# Altium PCB Radxa_E25_V1.4_20220119.PcbDoc (part 1 of 5) (continued)
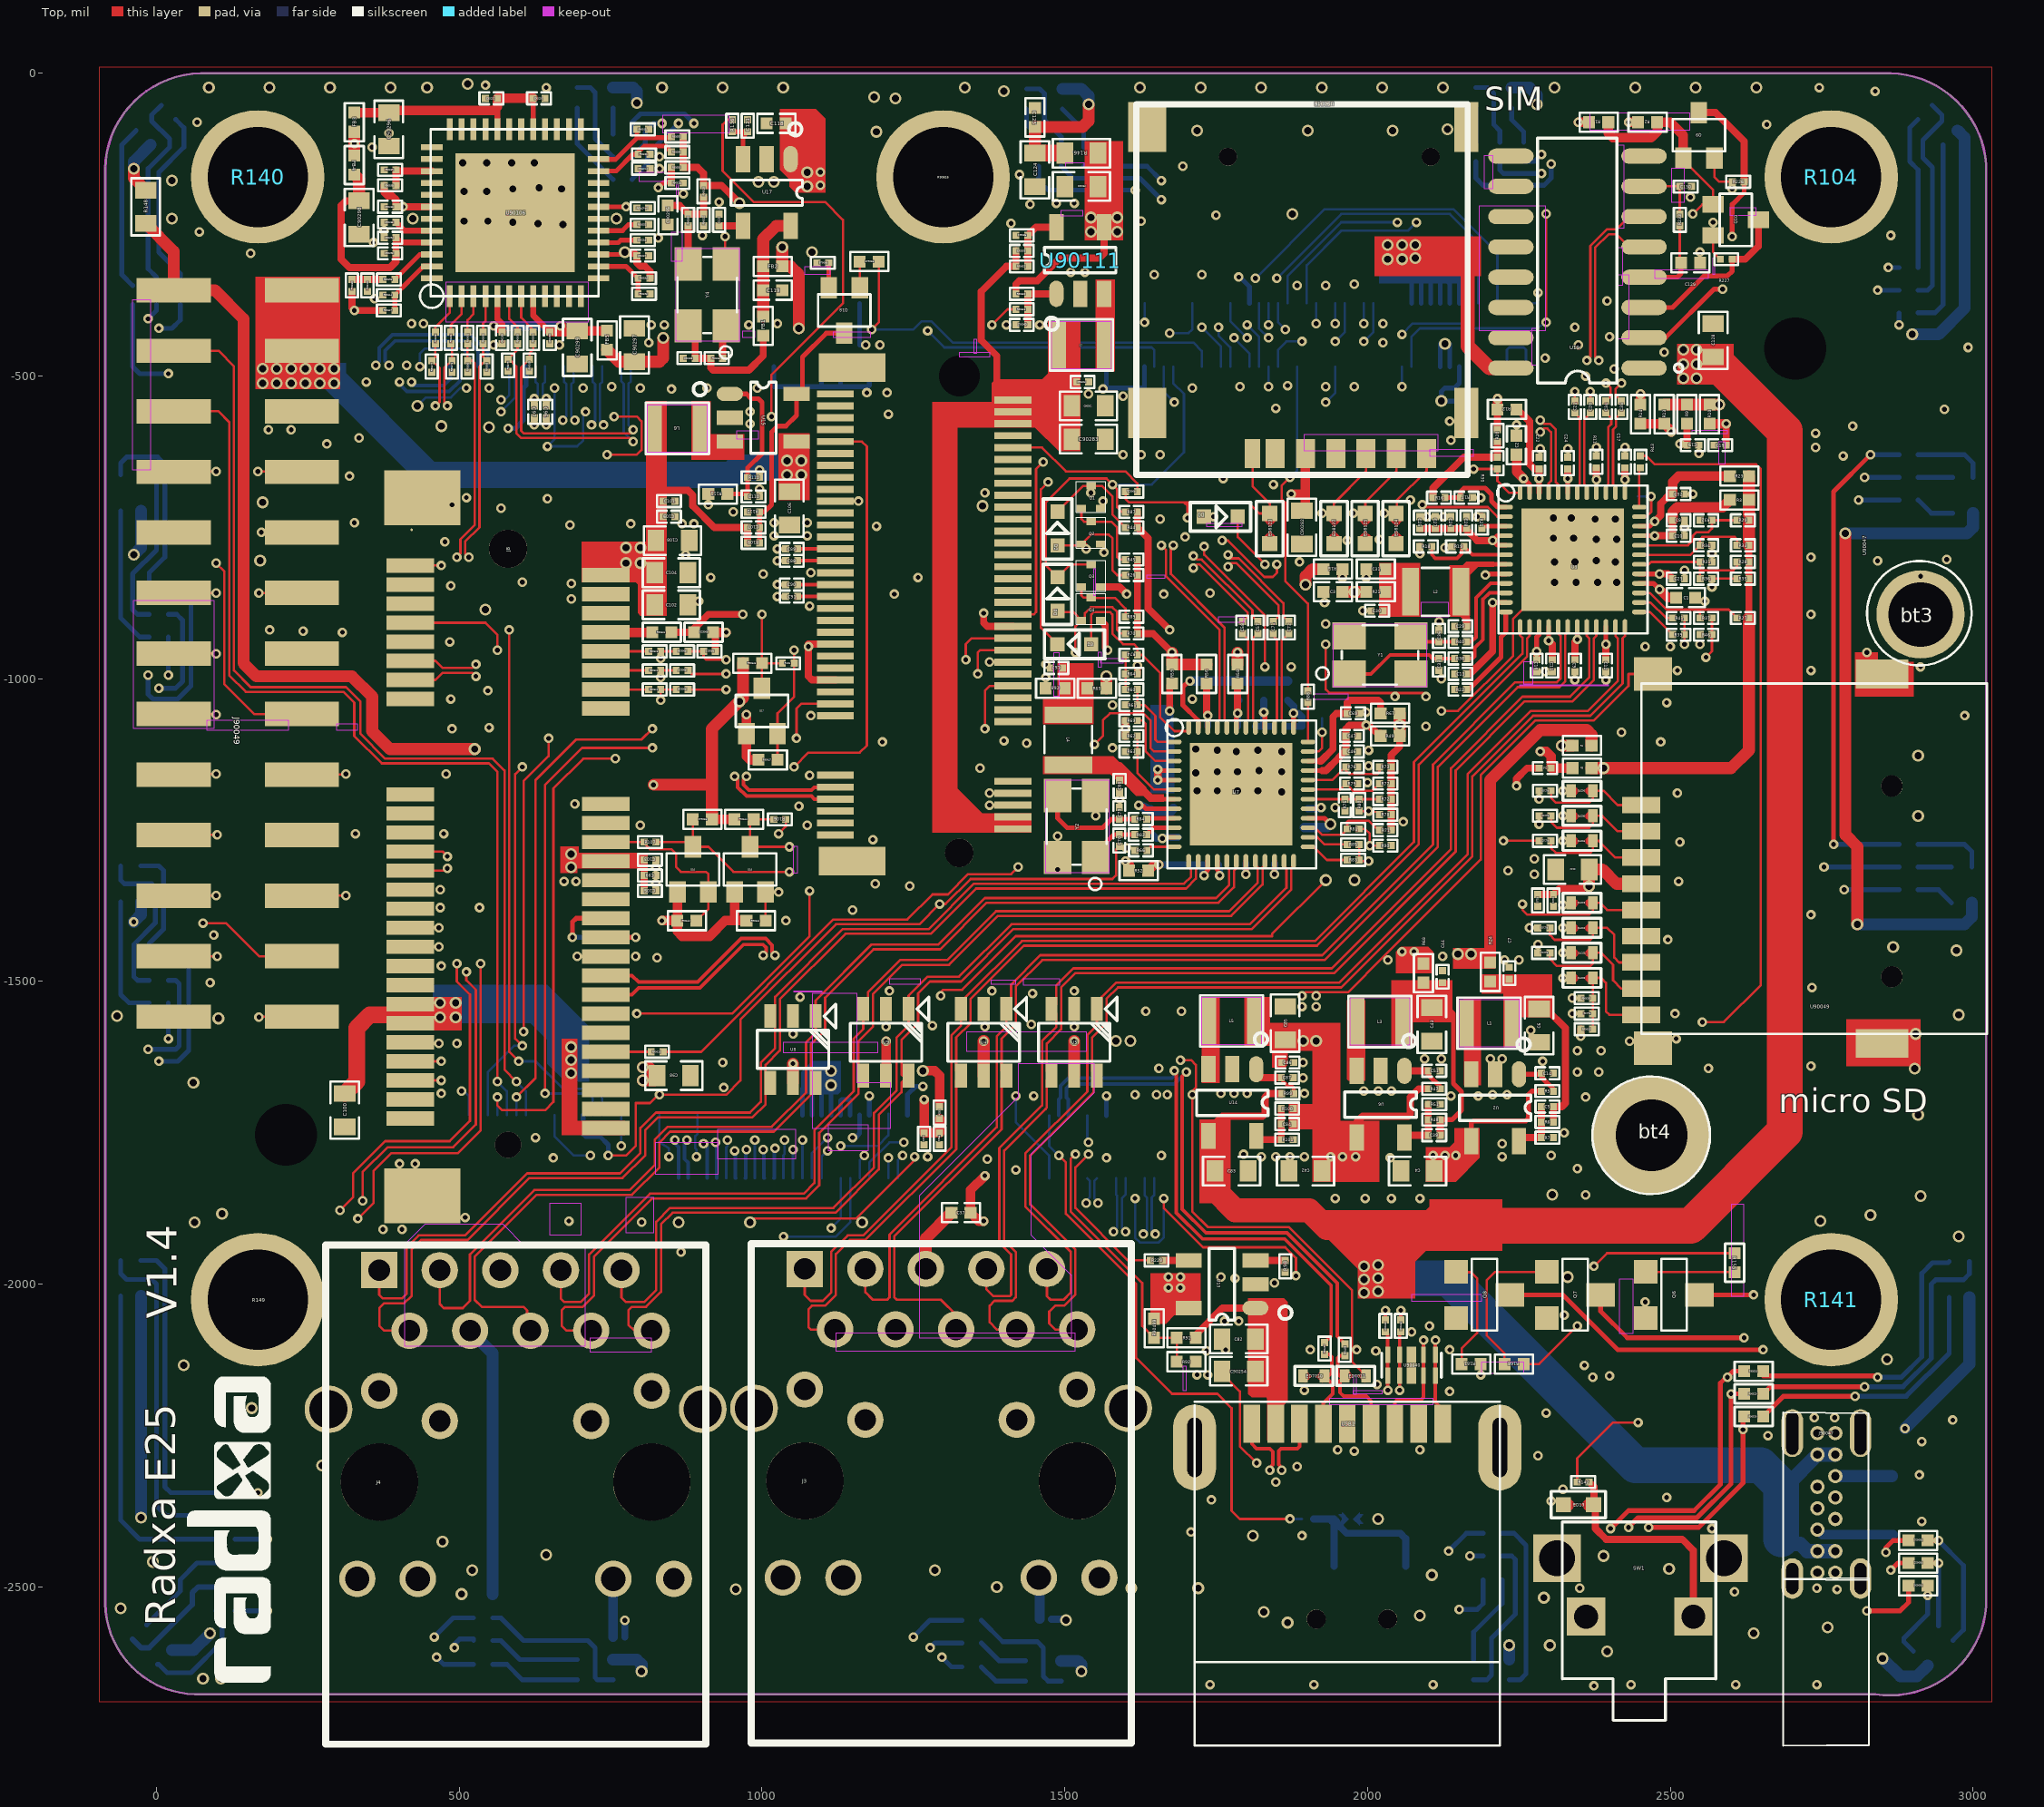
[diagram p0: Top view]
## Components (designator, comment, footprint, x,y, rotation, side; value= is the part's Value field where it differs from the comment) (continued)
L4 "IND_252012" IND_252012 1505.91,-1100.39 r90 top
L5 "IND-2520" IND-2520 1775.59,-1564.96 r180 top
L6 "IND-2520" IND-2520 860.24,-586.61 r0 top
L7 "IND-2520" IND-2520 1527.56,-448.82 r0 top
Q1 "SOT723" SOT723 1527.56,-718.5 r0 top
Q2 "SOT723" SOT723 1527.56,-777.56 r0 top
Q3 "SOT723" SOT723 1527.56,-848.43 r0 top
Q4 "SOT723" SOT723 1527.56,-903.54 r0 top
Q6 "SOT23" SOT23 2505.91,-2017.72 r270 top
Q7 "SOT23" SOT23 2342.52,-2017.72 r270 top
Q8 "SOT23" SOT23 2192.91,-2017.72 r270 top
Q9 "SOT_323" SOT_323 2547.24,-102.36 r0 top
Q10 "SOT_323" SOT_323 2608.27,-242.13 r270 top
Q15 "SOT_323" SOT_323 885.83,-1314.96 r0 top
Q16 "SOT_323" SOT_323 980.31,-1314.96 r0 top
Q17 "SOT_323" SOT_323 1000,-1053.15 r0 top
Q18 "SOT_323" SOT_323 1135.83,-391.73 r180 top
R1 "R0402" R0402 2381.89,-80.71 r180 top
R2 "R0402" R0402 2462.6,-80.71 r180 top
R3 "R0402" R0402 2614.17,-704.72 r0 top
R4 "R0402" R0402 2354.33,-1110.24 r180 top
R5 "R0201" R0201 2297.24,-1681.1 r0 top
R6 "R0201" R0201 2297.24,-1732.28 r180 top
R7 "R0201" R0201 2297.24,-1757.87 r0 top
R8 "R0402" R0402 2354.33,-1147.64 r0 top
R9 "R0402" R0402 2527.56,-562.99 r270 top
R10 "R0402" R0402 2564.96,-562.99 r270 top
R11 "C0201" C0201 2377.95,-641.73 r270 top
R12 "R0402" R0402 2230.31,-555.12 r180 top
R13 "R0402" R0402 2490.16,-562.99 r270 top
R14 "R0402" R0402 2450.79,-562.99 r270 top
R15 "R0402" R0402 1942.91,-818.9 r0 top
R16 "C0201" C0201 2118.11,-700.79 r180 top
R17 "C0201" C0201 2163.39,-700.79 r0 top
R18 "C0201" C0201 2096.46,-781.5 r180 top
R19 "C0201" C0201 2149.61,-781.5 r180 top
R20 "R0201" R0201 2214.57,-598.43 r270 top
R21 "R0402" R0402 2013.78,-856.3 r180 top
R22 "C0201" C0201 2153.54,-1017.72 r0 top
R23 "R0402" R0402 2614.17,-665.35 r180 top
R24 "R0402" R0402 2202.76,-1484.25 r270 top
R25 "C0201" C0201 2188.98,-742.13 r270 top
R26 "C0201" C0201 1610.24,-828.74 r180 top
R27 "C0201" C0201 2620.08,-899.61 r180 top
R28 "C0201" C0201 2620.08,-807.09 r180 top
R29 "C0201" C0201 2620.08,-738.19 r180 top
R30 "C0201" C0201 2214.57,-643.7 r270 top
R31 "C0201" C0201 2559.06,-807.09 r180 top
R32 "C0201" C0201 2559.06,-738.19 r0 top
R33 "C0201" C0201 2620.08,-779.53 r180 top
R34 "C0201" C0201 2559.06,-779.53 r180 top
R35 "C0201" C0201 2620.08,-834.65 r180 top
R36 "C0201" C0201 2559.06,-834.65 r0 top
R37 "C0201" C0201 2559.06,-899.61 r0 top
R38 "C0201" C0201 2153.54,-966.54 r0 top
R39 "C0201" C0201 2513.78,-927.17 r0 top
R40 "C0201" C0201 2153.54,-938.98 r0 top
R41 "C0201" C0201 2513.78,-899.61 r0 top
R42 "C0201" C0201 1468.5,-2553.15 r180 bottom
R43 "C0201" C0201 2450.79,-641.73 r270 top
R44 "C0201" C0201 1610.24,-750 r180 top
R45 "C0201" C0201 1610.24,-803.15 r180 top
R46 "C0201" C0201 2559.06,-927.17 r0 top
R47 "R0201" R0201 2110.24,-1677.17 r0 top
R48 "R0201" R0201 2110.24,-1728.35 r180 top
R49 "R0402" R0402 2037.4,-1094.49 r0 top
R50 "R0402" R0402 1641.73,-1234.25 r270 bottom
R51 "R0201" R0201 2110.24,-1702.76 r0 top
R52 "R0402" R0402 1622.05,-1316.93 r180 top
R53 "R0402" R0402 1828.74,-1019.68 r270 bottom
R54 "R0402" R0402 1868.11,-1019.68 r270 bottom
R55 "C0201" C0201 1814.96,-1088.58 r90 bottom
R56 "R0402" R0402 1734.25,-992.13 r90 top
R57 "R0402" R0402 1787.4,-1019.68 r270 bottom
R58 "R0402" R0402 1785.43,-992.13 r270 top
R59 "R0402" R0402 1677.17,-992.13 r270 top
R60 "C0201" C0201 1610.24,-1017.72 r180 top
R61 "C0201" C0201 1610.24,-1043.31 r180 top
R62 "C0201" C0201 1610.24,-1094.49 r180 top
R62$2F$X "R0201" R0201 803.15,-222.44 r0 top
R63 "C0201" C0201 1610.24,-1120.08 r180 top
R64 "R0201" R0201 1610.24,-992.13 r180 top
R65 "R0402" R0402 1553.15,-1015.75 r0 top
R66 "C0201" C0201 1625.98,-1283.46 r0 top
R67 "R0402" R0402 2037.4,-1057.09 r180 top
R68 "R0402" R0402 2092.52,-1486.22 r270 top
R69 "C0201" C0201 1610.24,-1068.9 r0 top
R70 "C0201" C0201 1610.24,-925.2 r180 top
R71 "C0201" C0201 2029.53,-1250 r180 top
R72 "C0201" C0201 2029.53,-1198.82 r180 top
R73 "C0201" C0201 2029.53,-1145.67 r180 top
R74 "C0201" C0201 1610.24,-960.63 r0 top
R75 "C0201" C0201 1962.6,-1208.66 r90 top
R76 "C0201" C0201 1974.41,-1145.67 r180 top
R77 "C0201" C0201 2029.53,-1173.23 r180 top
R78 "R0201" R0201 2029.53,-1224.41 r180 top
R79 "C0201" C0201 1974.41,-1173.23 r180 top
R80 "R0201" R0201 1986.22,-1208.66 r270 top
R81 "R0201" R0201 1976.38,-1248.03 r0 top
R82 "C0201" C0201 1625.52,-1257.41 r0 top
R83 "R0201" R0201 1976.38,-1299.21 r0 top
R84 "C0201" C0201 1625.52,-1231.82 r0 top
R85 "R0201" R0201 1976.38,-1273.62 r0 top
R86 "R0201" R0201 763.78,-2582.68 r180 bottom
R87 "C0201" C0201 1610.24,-724.41 r180 top
R88 "C0201" C0201 1901.57,-1029.53 r270 top
R89 "C0201" C0201 1610.24,-897.64 r180 top
R90 "C0201" C0201 2029.53,-1275.59 r180 top
R91 "R0402" R0402 1700.79,-2088.58 r180 top
R92 "R0402" R0402 1700.79,-2127.95 r0 top
R94 "R0201" R0201 1901.57,-2387.8 r0 bottom
R98 "R0201" R0201 1864.17,-1970.47 r270 top
R99 "R0201" R0201 1868.11,-1685.04 r0 top
R100 "R0201" R0201 1867.38,-1709.9 r180 top
R101 "R0201" R0201 1867.38,-1761.08 r0 top
R104 "HOLE4_2_2" HOLE4_2_2 2765.75,-171.26 r0 top
R105 "R0201" R0201 1043.31,-974.41 r0 top
R106 "R0201" R0201 1029.53,-1232.28 r0 top
R107 "R0201" R0201 814.96,-1269.68 r180 top
R109 "R0201" R0201 986.22,-775.59 r0 top
R110 "R0201" R0201 986.22,-667.32 r180 top
R111 "R0402" R0402 927.17,-694.88 r0 top
R112 "R0201" R0201 986.22,-724.41 r180 top
R136 "R0201" R0201 950.79,-86.61 r270 top
R140 "HOLE4_2_2" HOLE4_2_2 167.32,-171.26 r0 top
R141 "HOLE4_2_2" HOLE4_2_2 2765.75,-2025.59 r0 top
R145 "R0201" R0201 2281.5,-1366.14 r270 top
R146 "R0603" R0603 1527.56,-131.89 r180 top
R147 "R0201" R0201 2356.3,-2326.77 r0 top
R148 "R0603" R0603 -17.72,-220.47 r90 top
R149 "HOLE4_2_2" HOLE4_2_2 167.32,-2025.59 r0 top
R155 "R0402" R0402 2606.3,-1964.57 r90 top
R168 "R0402" R0402 2242.13,-2131.89 r0 top
R181 "R0402" R0402 2171.26,-2131.89 r0 top
R224 "R0201" R0201 2877.95,-2413.39 r180 bottom
R225 "R0201" R0201 2875.98,-2316.93 r180 bottom
R226 "R0201" R0201 2612.2,-179.13 r180 top
R227 "R0201" R0201 2592.52,-307.09 r180 top
R229 "R0201" R0201 1651.57,-1960.63 r180 top
R233 "R0201" R0201 2515.75,-242.13 r270 top
R930 "R0201" R0201 1293.31,-1716.54 r270 top
R931 "R0201" R0201 1293.31,-1759.84 r270 top
R4200 "R0201" R0201 2293.31,-1185.04 r0 top
R4201 "R0201" R0201 2293.31,-1226.38 r0 top
R4202 "R0201" R0201 2293.31,-1267.72 r0 top
R4203 "R0201" R0201 2291.34,-1411.42 r0 top
R4204 "R0201" R0201 2291.34,-1452.76 r0 top
R4205 "R0201" R0201 2362.2,-1553.15 r0 top
R90354 "R0402" R0402 114.17,-2344.49 r0 bottom
R90355 "R0402" R0402 114.17,-2421.26 r0 bottom
R90356 "R0402" R0402 114.17,-2381.89 r0 bottom
R90497 "R0201" R0201 1929.13,-2106.3 r90 top
R90498 "R0201" R0201 1962.6,-2108.27 r90 top
R90499 "R0402" R0402 1647.64,-2072.83 r270 top
R90517 "R0201" R0201 913.39,-954.72 r0 top
R90520 "R0402" R0402 769.68,-100.39 r0 bottom
R90521 "R0402" R0402 769.68,-137.8 r0 bottom
R90522 "R0402" R0402 769.68,-175.2 r0 bottom
R90523 "R0402" R0402 1531.5,-137.8 r270 bottom
R90524 "R0402" R0402 1494.09,-137.8 r270 bottom
R90525 "R0402" R0402 1456.69,-137.8 r270 bottom
R90526 "R0402" R0402 2893.7,-395.67 r180 bottom
R90527 "R0402" R0402 2893.7,-358.27 r180 bottom
R90528 "R0402" R0402 2893.7,-320.87 r180 bottom
R90529 "R0402" R0402 2637.8,-2181.1 r180 top
R90530 "R0402" R0402 2637.8,-2218.5 r180 top
R90531 "R0402" R0402 2637.8,-2143.7 r180 top
R90532 "R0402" R0402 2893.7,-1273.62 r180 bottom
R90533 "R0402" R0402 2893.7,-1348.43 r180 bottom
R90534 "R0402" R0402 2893.7,-1311.02 r180 bottom
R90535 "R0402" R0402 3.94,-931.1 r0 bottom
R90536 "R0402" R0402 3.94,-893.7 r0 bottom
R90537 "R0402" R0402 3.94,-856.3 r0 bottom
R90538 "R0402" R0402 3.94,-1458.66 r0 bottom
R90539 "R0402" R0402 3.94,-1535.43 r0 bottom
R90540 "R0402" R0402 3.94,-1498.03 r0 bottom
R90541 "R0402" R0402 539.37,-2551.18 r180 bottom
R90542 "R0402" R0402 539.37,-2588.58 r180 bottom
R90543 "R0402" R0402 539.37,-2627.95 r180 bottom
R90544 "R0402" R0402 1346.46,-2555.12 r180 bottom
R90545 "R0402" R0402 1346.46,-2592.52 r180 bottom
R90546 "R0402" R0402 1346.46,-2631.89 r180 bottom
R90547 "R0402" R0402 2206.69,-2488.19 r180 bottom
R90548 "R0402" R0402 2206.69,-2411.42 r180 bottom
R90549 "R0402" R0402 2206.69,-2448.82 r180 bottom
R90550 "R0402" R0402 2893.7,-629.92 r180 bottom
R90551 "R0402" R0402 2893.7,-704.72 r180 bottom
R90552 "R0402" R0402 2893.7,-667.32 r180 bottom
R90554 "R0201" R0201 383.86,-366.14 r180 top
R90555 "R0201" R0201 860.24,-104.33 r180 top
R90557 "R0201" R0201 383.86,-391.73 r0 top
R90559 "R0201" R0201 860.24,-155.51 r180 top
R90560 "R0201" R0201 322.83,-350.39 r90 top
R90561 "R0201" R0201 803.15,-92.52 r0 top
R90568 "R0201" R0201 545.28,-484.25 r270 top
R90569 "R0201" R0201 616.14,-482.28 r270 top
R90573 "R0201" R0201 488.19,-484.25 r270 top
R90577 "R0201" R0201 454.72,-484.25 r270 top
R90579 "R0201" R0201 580.71,-482.28 r270 top
R90580 "R0201" R0201 513.78,-484.25 r270 top
R90584 "R0201" R0201 925.2,-470.47 r180 top
R90585 "R0201" R0201 877.95,-242.13 r90 top
R90588 "R0201" R0201 385.83,-185.04 r0 top
R90589 "R0201" R0201 385.83,-159.45 r180 top
R90590 "R0201" R0201 860.24,-129.92 r180 top
R90591 "R0201" R0201 805.12,-133.86 r0 top
R90592 "R0201" R0201 803.15,-250 r180 top
R90593 "R0201" R0201 805.12,-364.17 r0 top
R90594 "R0201" R0201 805.12,-338.58 r180 top
R90595 "R0201" R0201 383.86,-340.55 r0 top
R90596 "R0201" R0201 486.22,-437.01 r90 top
R90598 "R0201" R0201 460.63,-437.01 r90 top
R90600 "R0201" R0201 539.37,-437.01 r90 top
R90601 "R0201" R0201 513.78,-437.01 r90 top
R90602 "R0201" R0201 622.05,-437.01 r90 top
R90603 "R0201" R0201 596.46,-437.01 r90 top
R90610 "R0201" R0201 348.43,-350.39 r270 top
R90611 "R0201" R0201 860.24,-181.1 r0 top
R90613 "R0201" R0201 903.54,-194.88 r270 top
R90614 "R0201" R0201 903.54,-242.13 r270 top
R90615 "R0201" R0201 2362.2,-1578.74 r180 top
R90616 "HOLE4_2_2" HOLE4_2_2 1299.21,-171.26 r0 top
R90617 "R0201" R0201 868.11,-986.22 r180 top
R90618 "R0201" R0201 868.11,-954.72 r180 top
R90619 "R0201" R0201 868.11,-1017.72 r180 top
R90620 "R0402" R0402 903.54,-923.23 r180 top
R90621 "R0201" R0201 1610.24,-690.94 r180 top
R90622 "R0201" R0201 822.83,-986.22 r0 top
R90623 "R0201" R0201 822.83,-954.72 r0 top
R90624 "R0201" R0201 822.83,-1017.72 r0 top
R90625 "R0402" R0402 834.65,-923.23 r0 top
R90626 "R0201" R0201 826.77,-1616.14 r0 top
R90627 "R0402" R0402 114.17,-2539.37 r0 bottom
R90628 "R0402" R0402 114.17,-2460.63 r0 bottom
R90629 "R0402" R0402 114.17,-2500 r0 bottom
R90630 "R0402" R0402 2909.45,-2498.03 r180 top
R90631 "R0402" R0402 2909.45,-2423.23 r180 top
R90632 "R0402" R0402 2909.45,-2460.63 r180 top
R90633 "R0402" R0402 2257.87,-129.92 r270 bottom
R90634 "R0402" R0402 2218.5,-129.92 r270 bottom
R90635 "R0402" R0402 2179.13,-129.92 r270 bottom
R90636 "R0402" R0402 -39.37,-366.14 r270 bottom
R90637 "R0402" R0402 39.37,-366.14 r270 bottom
R90638 "R0402" R0402 0,-366.14 r270 bottom
R90639 "R0201" R0201 2362.2,-1527.56 r0 top
R90642 "R0402" R0402 901.57,-1232.28 r180 top
R90643 "R0402" R0402 875.98,-1399.61 r0 top
R90644 "R0402" R0402 970.47,-1232.28 r0 top
R90645 "R0402" R0402 990.16,-1399.61 r0 top
R90646 "R0402" R0402 984.25,-974.41 r0 top
R90647 "R0402" R0402 1009.84,-1133.86 r0 top
R90648 "R0201" R0201 1100.39,-312.99 r180 top
R90649 "R0402" R0402 1177.17,-311.02 r180 top
R90650 "R0201" R0201 1429.13,-364.17 r0 top
R90651 "R0201" R0201 1429.13,-267.72 r180 top
R90652 "R0201" R0201 1429.13,-318.9 r0 top
R90653 "R0201" R0201 1429.13,-389.76 r0 top
SW1 "SW_4_DIP" SW_4_DIP 2588.58,-2452.76 r180 top
TP1 "T0.8" T0.8 2446.85,-698.82 r180 bottom
TP2 "T0.8" T0.8 1925.2,-1064.96 r180 bottom
TP5 "TP_0R70" TP_0R70 718.5,-1435.04 r270 bottom
TP6 "TP_0R70" TP_0R70 763.78,-1435.04 r270 bottom
TP7 "TP_0R70" TP_0R70 427.17,-1622.05 r90 bottom
TP8 "TP_0R70" TP_0R70 427.17,-1663.39 r90 bottom
U1 "CM4_BOARD" CM4_BOARD 1458.66,-379.92 r90 bottom
U2 "SOT_23_5" SOT_23_5 2250.25,-1653.29 r270 top
U3 "QFN48_6X6" QFN48_6X6 2228.35,-889.76 r0 top
U4 "SOT23-6" SOT23-6 1366.14,-1600.39 r180 top
U5 "SOT23-6" SOT23-6 1515.75,-1600.39 r180 top
U6 "SOT_23_5" SOT_23_5 2061.02,-1647.64 r270 top
U7 "QFN48_6X6" QFN48_6X6 1681.1,-1277.56 r0 top
U8 "SOT23-6" SOT23-6 1051.18,-1612.2 r180 top
U9 "SOT23-6" SOT23-6 1204.72,-1600.39 r180 top
U13 "SOT_23_5" SOT_23_5 1814.96,-2039.37 r180 top
U14 "SOT_23_5" SOT_23_5 1816.2,-1644.94 r270 top
U15 "SOT_23_5" SOT_23_5 946.85,-529.53 r0 top
U17 "SOT_23_5" SOT_23_5 1047.24,-141.73 r270 top
U19 "SOP16" SOP16 2456.8,-486.7 r180 top
U90040 "SON10_2R50X1R00X0R50" SON10_2R50X1R00X0R50 2072.83,-2133.86 r180 top
U90047 "BKEY" BKEY 2913.39,-893.7 r90 top
U90048 "NANO_SIM" NANO_SIM 1929.13,-51.18 r180 top
U90049 "TF-CKT01-009D" TF-CKT01-009D 2866.14,-1334.65 r0 top
U90094 "LED_RGB" LED_RGB -25.59,-2019.68 r90 bottom
U90095 "LED_RGB" LED_RGB 753.94,-23.62 r180 bottom
U90096 "LED_RGB" LED_RGB 1496.06,-25.59 r180 bottom
U90097 "LED_RGB" LED_RGB 2974.41,-94.49 r135 bottom
U90098 "LED_RGB" LED_RGB 2994.09,-2021.65 r90 bottom
U90099 "LED_RGB" LED_RGB 2998.03,-1370.08 r90 bottom
U90100 "LED_RGB" LED_RGB -25.59,-722.44 r90 bottom
U90101 "LED_RGB" LED_RGB -25.59,-1368.11 r90 bottom
U90102 "LED_RGB" LED_RGB 753.94,-2620.08 r180 bottom
U90103 "LED_RGB" LED_RGB 1494.09,-2622.05 r180 bottom
U90104 "LED_RGB" LED_RGB 2234.25,-2620.08 r180 bottom
U90105 "LED_RGB" LED_RGB 3000,-726.38 r90 bottom
U90106 "QFN48-7X7-AU5411" QFN48-7X7-AU5411 592.52,-230.31 r0 top
U90107 "LED_RGB" LED_RGB 25.59,-2604.33 r135 bottom
U90108 "LED_RGB" LED_RGB 2925.2,-2629.92 r45 bottom
U90109 "LED_RGB" LED_RGB 2238.19,-23.62 r180 bottom
U90110 "LED_RGB" LED_RGB -9.84,-118.11 r45 bottom
U90111 "SOT_23_5" SOT_23_5 1486.22,-364.17 r90 top
USB1 "USB30-L1" USB30-L1 1966.54,-2230.31 r0 top
Y1 "CRY-D3225" CRY-D3225 2020.62,-960.63 r0 top
Y2 "CRY-D3225" CRY-D3225 1519.68,-1244.09 r90 top
Y4 "CRY-D3225" CRY-D3225 909.45,-366.14 r90 top

## Footprints (in the part's own frame and the unit in brackets; to place one, negate y for a bottom-side part, rotate by r counter-clockwise, add the part's x,y. Pads: shape width x height; smd on the part's side, far side on the other; paste and mask are expansions set on the pad)
BKEY [mm]
  rect 0.3x1.55 smd: 1(-9.25,45.52) 2(-9,38.07) 3(-8.75,45.52) 4(-8.5,38.07) 5(-8.25,45.52) 6(-8,38.07) 7(-7.75,45.52) 8(-7.5,38.07) 9(-7.25,45.52) 10(-7,38.07) 11(-6.75,45.52) 20(-4.5,38.07) 21(-4.25,45.52) 22(-4,38.07) 23(-3.75,45.52) 24(-3.5,38.07) 25(-3.25,45.52) 26(-3,38.07) 27(-2.75,45.52) 28(-2.5,38.07) 29(-2.25,45.52) 30(-2,38.07) 31(-1.75,45.52) 32(-1.5,38.07) 33(-1.25,45.52) 34(-1,38.07) 35(-0.75,45.52) 36(-0.5,38.07) 37(-0.25,45.52) 38(0,38.07) 39(0.25,45.52) 40(0.5,38.07) 41(0.75,45.52) 42(1,38.07) 43(1.25,45.52) 44(1.5,38.07) 45(1.75,45.52) 46(2,38.07) 47(2.25,45.52) 48(2.5,38.07) 49(2.75,45.52) 50(3,38.07) 51(3.25,45.52) 52(3.5,38.07) 53(3.75,45.52) 54(4,38.07) 55(4.25,45.52) 56(4.5,38.07) 57(4.75,45.52) 58(5,38.07) 59(5.25,45.52) 60(5.5,38.07) 61(5.75,45.52) 62(6,38.07) 63(6.25,45.52) 64(6.5,38.07) 65(6.75,45.52) 66(7,38.07) 67(7.25,45.52) 68(7.5,38.07) 69(7.75,45.52) 70(8,38.07) 71(8.25,45.52) 72(8.5,38.07) 73(8.75,45.52) 74(9,38.07) 75(9.25,45.52)
  rect 1.2x2.8 smd: 76(10.35,44.82) 77(-10.35,44.82)
  round 3.7 hole 2.7: 78(0,0)
  round 1.2 hole 1.7: 79(10,40.32)
  round 1.2 hole 1.2: 80(-10,40.32)
C0201 [mm]
  rect 0.3x0.3 smd: 1(-0.25,0) 2(0.25,0)
  silkscreen extent -0.5,-0.25 0.5,0.25
C0402 [mm]
  rect 0.5x0.5 smd: 1(-0.4,0) 2(0.4,0)
  silkscreen extent -0.8,-0.4 0.8,0.4
C0603 [mm]
  rect 0.7x0.9 smd: 1(-0.7,0) 2(0.7,0)
  silkscreen extent -1.2,-0.6 1.2,0.6
CM4_BOARD [mm]
  rect 1.14x0.2 smd: 1(0,0.4) 2(-2.66,0.4) 3(0,0.8) 4(-2.66,0.8) 5(0,1.2) 6(-2.66,1.2) 7(0,1.6) 8(-2.66,1.6) 9(0,2) 10(-2.66,2) 11(0,2.4) 12(-2.66,2.4) 13(0,2.8) 14(-2.66,2.8) 15(0,3.2) 16(-2.66,3.2) 17(0,3.6) 18(-2.66,3.6) 19(0,4) 20(-2.66,4) 21(0,4.4) 22(-2.66,4.4) 23(0,4.8) 24(-2.66,4.8) 25(0,5.2) 26(-2.66,5.2) 27(0,5.6) 28(-2.66,5.6) 29(0,6) 30(-2.66,6) 31(0,6.4) 32(-2.66,6.4) 33(0,6.8) 34(-2.66,6.8) 35(0,7.2) 36(-2.66,7.2) 37(0,7.6) 38(-2.66,7.6) 39(0,8) 40(-2.66,8) 41(0,8.4) 42(-2.66,8.4) 43(0,8.8) 44(-2.66,8.8) 45(0,9.2) 46(-2.66,9.2) 47(0,9.6) 48(-2.66,9.6) 49(0,10) 50(-2.66,10) 51(0,10.4) 52(-2.66,10.4) 53(0,10.8) 54(-2.66,10.8) 55(0,11.2) 56(-2.66,11.2) 57(0,11.6) 58(-2.66,11.6) 59(0,12) 60(-2.66,12) 61(0,12.4) 62(-2.66,12.4) 63(0,12.8) 64(-2.66,12.8) 65(0,13.2) 66(-2.66,13.2) 67(0,13.6) 68(-2.66,13.6) 69(0,14) 70(-2.66,14) 71(0,14.4) 72(-2.66,14.4) 73(0,14.8) 74(-2.66,14.8) 75(0,15.2) 76(-2.66,15.2) 77(0,15.6) 78(-2.66,15.6) 79(0,16) 80(-2.66,16) 81(0,16.4) 82(-2.66,16.4) 83(0,16.8) 84(-2.66,16.8) 85(0,17.2) 86(-2.66,17.2) 87(0,17.6) 88(-2.66,17.6) 89(0,18) 90(-2.66,18) 91(0,18.4) 92(-2.66,18.4) 93(0,18.8) 94(-2.66,18.8) 95(0,19.2) 96(-2.66,19.2) 97(0,19.6) 98(-2.66,19.6) 99(0,20) 100(-2.66,20) 101(-34.07,0.4) 102(-36.71,0.4) 103(-34.07,0.8) 104(-36.71,0.8) 105(-34.07,1.2) 106(-36.71,1.2) 107(-34.07,1.6) 108(-36.71,1.6) 109(-34.07,2) 110(-36.71,2) 111(-34.07,2.4) 112(-36.71,2.4) 113(-34.07,2.8) 114(-36.71,2.8) 115(-34.07,3.2) 116(-36.71,3.2) 117(-34.07,3.6) 118(-36.71,3.6) 119(-34.07,4) 120(-36.71,4) 121(-34.07,4.4) 122(-36.71,4.4) 123(-34.07,4.8) 124(-36.71,4.8) 125(-34.07,5.2) 126(-36.71,5.2) 127(-34.07,5.6) 128(-36.71,5.6) 129(-34.07,6) 130(-36.71,6) 131(-34.07,6.4) 132(-36.71,6.4) 133(-34.07,6.8) 134(-36.71,6.8) 135(-34.07,7.2) 136(-36.71,7.2) 137(-34.07,7.6) 138(-36.71,7.6) 139(-34.07,8) 140(-36.71,8) 141(-34.07,8.4) 142(-36.71,8.4) 143(-34.07,8.8) 144(-36.71,8.8) 145(-34.07,9.2) 146(-36.71,9.2) 147(-34.07,9.6) 148(-36.71,9.6) 149(-34.07,10) 150(-36.71,10) 151(-34.07,10.4) 152(-36.71,10.4) 153(-34.07,10.8) 154(-36.71,10.8) 155(-34.07,11.2) 156(-36.71,11.2) 157(-34.07,11.6) 158(-36.71,11.6) 159(-34.07,12) 160(-36.71,12) 161(-34.07,12.4) 162(-36.71,12.4) 163(-34.07,12.8) 164(-36.71,12.8) 165(-34.07,13.2) 166(-36.71,13.2) 167(-34.07,13.6) 168(-36.71,13.6) 169(-34.07,14) 170(-36.71,14) 171(-34.07,14.4) 172(-36.71,14.4) 173(-34.07,14.8) 174(-36.71,14.8) 175(-34.07,15.2) 176(-36.71,15.2) 177(-34.07,15.6) 178(-36.71,15.6) 179(-34.07,16) 180(-36.71,16) 181(-34.07,16.4) 182(-36.71,16.4) 183(-34.07,16.8) 184(-36.71,16.8) 185(-34.07,17.2) 186(-36.71,17.2) 187(-34.07,17.6) 188(-36.71,17.6) 189(-34.07,18) 190(-36.71,18) 191(-34.07,18.4) 192(-36.71,18.4) 193(-34.07,18.8) 194(-36.71,18.8) 195(-34.07,19.2) 196(-36.71,19.2) 197(-34.07,19.6) 198(-36.71,19.6) 199(-34.07,20) 200(-36.71,20)
  round 0.1 smd: 201(-1.88,-31.61) 203(-34.9,31.69) A(-34.07,0) B(-36.71,0) C(-34.07,20.4) D(-36.71,20.4) E(0,20.4) F(-2.66,20.4) G(0,0) H(-2.66,0)
  round 4.5 / inner round 6 / far side round 0 hole 2.6: 202(-34.88,-31.61) 204(-1.9,31.69)
  silkscreen extent -38.37,-35.15 1.62,35.2
CRY-D3225 [mm]
  rect 1.4x1.15 smd: 1(-1.3,-0.8) 2(1.3,-0.8) 3(1.3,0.8) 4(-1.3,0.8)
  Top keep-out region: -1.95,1.3 1.95,1.3 1.95,-1.35 -1.95,-1.35 -1.95,1.3
  silkscreen extent -2.67,-1.25 1.6,1.25
DF40C-100DS-0.4V_4P_BOARD [mm]
  rect 1.14x0.2 smd: 1(0,-20) 2(2.64,-20) 3(0,-19.6) 4(2.64,-19.6) 5(0,-19.2) 6(2.64,-19.2) 7(0,-18.8) 8(2.64,-18.8) 9(0,-18.4) 10(2.64,-18.4) 11(0,-18) 12(2.64,-18) 13(0,-17.6) 14(2.64,-17.6) 15(0,-17.2) 16(2.64,-17.2) 17(0,-16.8) 18(2.64,-16.8) 19(0,-16.4) 20(2.64,-16.4) 21(0,-16) 22(2.64,-16) 23(0,-15.6) 24(2.64,-15.6) 25(0,-15.2) 26(2.64,-15.2) 27(0,-14.8) 28(2.64,-14.8) 29(0,-14.4) 30(2.64,-14.4) 31(0,-14) 32(2.64,-14) 33(0,-13.6) 34(2.64,-13.6) 35(0,-13.2) 36(2.64,-13.2) 37(0,-12.8) 38(2.64,-12.8) 39(0,-12.4) 40(2.64,-12.4) 41(0,-12) 42(2.64,-12) 43(0,-11.6) 44(2.64,-11.6) 45(0,-11.2) 46(2.64,-11.2) 47(0,-10.8) 48(2.64,-10.8) 49(0,-10.4) 50(2.64,-10.4) 51(0,-10) 52(2.64,-10) 53(0,-9.6) 54(2.64,-9.6) 55(0,-9.2) 56(2.64,-9.2) 57(0,-8.8) 58(2.64,-8.8) 59(0,-8.4) 60(2.64,-8.4) 61(0,-8) 62(2.64,-8) 63(0,-7.6) 64(2.64,-7.6) 65(0,-7.2) 66(2.64,-7.2) 67(0,-6.8) 68(2.64,-6.8) 69(0,-6.4) 70(2.64,-6.4) 71(0,-6) 72(2.64,-6) 73(0,-5.6) 74(2.64,-5.6) 75(0,-5.2) 76(2.64,-5.2) 77(0,-4.8) 78(2.64,-4.8) 79(0,-4.4) 80(2.64,-4.4) 81(0,-4) 82(2.64,-4) 83(0,-3.6) 84(2.64,-3.6) 85(0,-3.2) 86(2.64,-3.2) 87(0,-2.8) 88(2.64,-2.8) 89(0,-2.4) 90(2.64,-2.4) 91(0,-2) 92(2.64,-2) 93(0,-1.6) 94(2.64,-1.6) 95(0,-1.2) 96(2.64,-1.2) 97(0,-0.8) 98(2.64,-0.8) 99(0,-0.4) 100(2.64,-0.4)
  round 0.1 smd: A(0,-20.4) B(2.64,-20.4) C(0,0) D(2.64,0)
  silkscreen extent -0.09,-21.44 2.75,1.11
E0402N [mil]
  rrect0% 25x25 smd: 1(-25,0) 2(25,0)
  Top region: 12.5,7 6,0.5 12.75,-6.25 12.75,6.5 12.5,6.5 12.5,7
  Top region: 14.5,11 3.75,0.25 14.75,-10.75 14.75,10.5 14.5,10.5 14.5,11
  Top region: -12,-6.5 -5.5,0 -12.25,6.75 -12.25,-6 -12,-6 -12,-6.5
  Top region: -14,-10.5 -3.25,0.25 -14.25,11.25 -14.25,-10 -14,-10 -14,-10.5
  Top lines w2: -19.5,7.5 -12,7.5 ; -19.5,-7 -12,-7 ; -18,6 -10.5,6 ; -18,-5.5 -10.5,-5.5 ; -17,4.5 -9.5,4.5 ; -16.5,-4 -9,-4 ; -16,3.5 -8.5,3.5 ; -15.5,-2.5 -8,-2.5 ; -15,2.5 -7.5,2.5 ; -14,-1.5 -6.5,-1.5 ; -13.5,1.5 -6,1.5 ; -13,-0.5 -5.5,-0.5 ; -12.5,0.5 -5,0.5 ; 5.5,0 13,0 ; 6,1 13.5,1 ; 6.5,-1 14,-1 ; 7,2 14.5,2 ; 8,-2 15.5,-2 ; 8.5,3 16,3 ; 9,-3 16.5,-3 ; 9.5,4.5 17,4.5 ; 10,-4 17.5,-4 ; 11,6 18.5,6 ; 11,-5.5 18.5,-5.5 ; 12.5,7.5 20,7.5 ; 12.5,-7 20,-7
  silkscreen extent -45,-22 45,22
ESD0402#1 [mm]
  rect 0.4x0.55 smd: 1(-0.45,0) 2(0.45,0)
  Top region: 0.318,0.178 0.152,0.013 0.324,-0.159 0.324,0.165 0.318,0.165 0.318,0.178
  Top region: 0.368,0.279 0.095,0.006 0.375,-0.273 0.375,0.267 0.368,0.267 0.368,0.279
  Top region: -0.305,-0.165 -0.14,0 -0.311,0.171 -0.311,-0.152 -0.305,-0.152 -0.305,-0.165
  Top region: -0.356,-0.267 -0.083,0.006 -0.362,0.286 -0.362,-0.254 -0.356,-0.254 -0.356,-0.267
  Top lines w0.051: 0.508,0.191 0.45,0.191 0.317,0.191 ; 0.508,-0.178 0.45,-0.178 0.318,-0.178 ; 0.47,0.152 0.45,0.152 0.279,0.152 ; 0.47,-0.14 0.45,-0.14 0.279,-0.14 ; 0.445,-0.102 0.254,-0.102 ; 0.432,0.114 0.241,0.114 ; 0.419,-0.076 0.229,-0.076 ; 0.406,0.076 0.216,0.076 ; 0.394,-0.051 0.203,-0.051 ; 0.368,0.051 0.178,0.051 ; 0.356,-0.025 0.165,-0.025 ; 0.343,0.025 0.152,0.025 ; 0.33,0 0.14,0 ; -0.127,0.013 -0.318,0.013 ; -0.14,-0.013 -0.33,-0.013 ; -0.152,0.038 -0.343,0.038 ; -0.165,-0.038 -0.356,-0.038 ; -0.191,0.063 -0.381,0.063 ; -0.203,-0.064 -0.394,-0.064 ; -0.216,0.089 -0.406,0.089 ; -0.229,-0.102 -0.419,-0.102 ; -0.241,0.114 -0.432,0.114 ; -0.267,0.152 -0.45,0.152 -0.457,0.152 ; -0.267,-0.14 -0.45,-0.14 -0.457,-0.14 ; -0.305,0.19 -0.45,0.19 -0.495,0.19 ; -0.305,-0.178 -0.45,-0.178 -0.495,-0.178
  silkscreen extent -0.8,-0.4 0.8,0.4
ESD0402#2 [mm]
  rect 0.4x0.55 smd: 1(-0.45,0) 2(0.45,0)
  Top region: 0.318,0.178 0.152,0.013 0.324,-0.159 0.324,0.165 0.318,0.165 0.318,0.178
  Top region: 0.368,0.279 0.095,0.006 0.375,-0.273 0.375,0.267 0.368,0.267 0.368,0.279
  Top region: -0.305,-0.165 -0.14,0 -0.311,0.171 -0.311,-0.152 -0.305,-0.152 -0.305,-0.165
  Top region: -0.356,-0.267 -0.083,0.006 -0.362,0.286 -0.362,-0.254 -0.356,-0.254 -0.356,-0.267
  Top lines w0.051: -0.495,-0.178 -0.45,-0.178 -0.305,-0.178 ; -0.495,0.191 -0.45,0.191 -0.305,0.191 ; -0.457,-0.14 -0.45,-0.14 -0.267,-0.14 ; -0.457,0.152 -0.45,0.152 -0.267,0.152 ; -0.432,0.114 -0.241,0.114 ; -0.419,-0.102 -0.229,-0.102 ; -0.406,0.089 -0.216,0.089 ; -0.394,-0.064 -0.203,-0.064 ; -0.381,0.064 -0.191,0.064 ; -0.356,-0.038 -0.165,-0.038 ; -0.343,0.038 -0.152,0.038 ; -0.33,-0.013 -0.14,-0.013 ; -0.318,0.013 -0.127,0.013 ; 0.14,0 0.33,0 ; 0.152,0.025 0.343,0.025 ; 0.165,-0.025 0.356,-0.025 ; 0.178,0.051 0.368,0.051 ; 0.203,-0.051 0.394,-0.051 ; 0.216,0.076 0.374,0.076 0.406,0.076 ; 0.229,-0.076 0.419,-0.076 ; 0.241,0.114 0.336,0.114 0.432,0.114 ; 0.254,-0.102 0.445,-0.102 ; 0.279,-0.14 0.45,-0.14 0.47,-0.14 ; 0.279,0.152 0.298,0.152 0.45,0.152 0.47,0.152 ; 0.318,-0.178 0.45,-0.178 0.508,-0.178 ; 0.318,0.191 0.45,0.191 0.508,0.191
  silkscreen extent -0.8,-0.4 0.8,0.4
HOLE4_2_2 [mm]
  round 5.6 / inner round 5 / far side round 5.6 hole 4.2: 1(0,0)
IND-2520 [mm]
  rect 0.6x2 smd: 1(0.947,0.006) 2(-0.953,0.006)
  Top keep-out region: -1.25,1 1.25,1 1.25,-1 -1.25,-1 -1.25,1
  silkscreen extent -1.33,-1.07 1.33,1.08
IND_252012 [mm]
  rect 0.7x2 smd: 1(1.037,0) 2(-1.063,0)
  silkscreen extent -0.57,-1 0.57,1
LD-020 [mm]
  rect 0.8x2 smd: 1(-0.75,2.225) 2(2.25,2.225) 3(3.75,2.225)
  round 0.8 hole 0.8: 4(0,0) 5(3,0)
  rect 1.4x0.8 smd: 6(-2.175,1.125) 7(5.175,1.125) 8(5.175,-1.125) 9(-2.175,-1.125)
  silkscreen extent -1.47,-1.48 4.45,1.56
LED_RGB [mm]
  rect 0.8x0.65 smd: 1(0,0) 2(1.5,0) 3(0,-0.85) 4(1.5,-0.85)
  silkscreen extent -1.1,-1.3 2.55,0.45
MINIPCIEA [mm]
  rect 0.6x2 smd: 1(0.7,-4.1) 2(1.1,4.1) 3(1.5,-4.1) 4(1.9,4.1) 5(2.3,-4.1) 6(2.7,4.1) 7(3.1,-4.1) 8(3.5,4.1) 9(3.9,-4.1) 10(4.3,4.1) 11(4.7,-4.1) 12(5.1,4.1) 13(5.5,-4.1) 14(5.9,4.1) 15(6.3,-4.1) 16(6.7,4.1) 17(10.3,-4.1) 18(10.7,4.1) 19(11.1,-4.1) 20(11.5,4.1) 21(11.9,-4.1) 22(12.3,4.1) 23(12.7,-4.1) 24(13.1,4.1) 25(13.5,-4.1) 26(13.9,4.1) 27(14.3,-4.1) 28(14.7,4.1) 29(15.1,-4.1) 30(15.5,4.1) 31(15.9,-4.1) 32(16.3,4.1) 33(16.7,-4.1) 34(17.1,4.1) 35(17.5,-4.1) 36(17.9,4.1) 37(18.3,-4.1) 38(18.7,4.1) 39(19.1,-4.1) 40(19.5,4.1) 41(19.9,-4.1) 42(20.3,4.1) 43(20.7,-4.1) 44(21.1,4.1) 45(21.5,-4.1) 46(21.9,4.1) 47(22.3,-4.1) 48(22.7,4.1) 49(23.1,-4.1) 50(23.5,4.1) 51(23.9,-4.1) 52(24.3,4.1)
  round 1.6 hole 1.6 unplated: 53(0,0)
  round 1.1 hole 1.1 unplated: 54(25,0)
  rect 2.3x3.2 smd: 55(-2.15,-3.6) 56(27.15,-3.6)
  round 0.1 smd: 57(-0.8,-4.05)
  round 5 hole 3: 58(24.6,47.968)
NANO_SIM [mm]
  rect 0.8x1.23 smd: 1(0.8,14.65) 2(-1.74,14.65) 3(-4.28,14.65) 5(2.07,14.65) 6(-0.47,14.65) 7(-3.01,14.65)
  rect 0.65x1.23 smd: 4(3.02,14.65)
  rect 1x2.1 smd: 8(-5.95,12.95) 11(-5.95,0.95)
  rect 1.6x2.1 smd: 9(7.44,12.95) 10(7.44,0.95)
  round 0.75 hole 0.75: 12(-4.45,2.2) 13(4.05,2.2)
  silkscreen extent -6,0 7.9,15.55
QFN48-7X7-AU5411 [mm]
  rect 0.25x0.9 smd: 1(-2.75,-3.5) 2(-2.25,-3.5) 3(-1.75,-3.5) 4(-1.25,-3.5) 5(-0.75,-3.5) 6(-0.25,-3.5) 7(0.25,-3.5) 8(0.75,-3.5) 9(1.25,-3.5) 10(1.75,-3.5) 11(2.25,-3.5) 12(2.75,-3.5) 25(2.75,3.5) 26(2.25,3.5) 27(1.75,3.5) 28(1.25,3.5) 29(0.75,3.5) 30(0.25,3.5) 31(-0.25,3.5) 32(-0.75,3.5) 33(-1.25,3.5) 34(-1.75,3.5) 35(-2.25,3.5) 36(-2.75,3.5)
  rect 0.9x0.25 smd: 13(3.5,-2.75) 14(3.5,-2.25) 15(3.5,-1.75) 16(3.5,-1.25) 17(3.5,-0.75) 18(3.5,-0.25) 19(3.5,0.25) 20(3.5,0.75) 21(3.5,1.25) 22(3.5,1.75) 23(3.5,2.25) 24(3.5,2.75) 37(-3.5,2.75) 38(-3.5,2.25) 39(-3.5,1.75) 40(-3.5,1.25) 41(-3.5,0.75) 42(-3.5,0.25) 43(-3.5,-0.25) 44(-3.5,-0.75) 45(-3.5,-1.25) 46(-3.5,-1.75) 47(-3.5,-2.25) 48(-3.5,-2.75)
  rect 5x5 smd: 49(0,0)
  silkscreen extent -3.99,-3.99 3.5,3.5
QFN48_6X6 [mm]
  oval 0.6x0.2 smd: 1(0,4.4) 2(0,4) 3(0,3.6) 4(0,3.2) 5(0,2.8) 6(0,2.4) 7(0,2) 8(0,1.6) 9(0,1.2) 10(0,0.8) 11(0,0.4) 12(0,0) 25(5.6,0) 26(5.6,0.4) 27(5.6,0.8) 28(5.6,1.2) 29(5.6,1.6) 30(5.6,2) 31(5.6,2.4) 32(5.6,2.8) 33(5.6,3.2) 34(5.6,3.6) 35(5.6,4) 36(5.6,4.4)
  oval 0.2x0.6 smd: 13(0.6,-0.6) 14(1,-0.6) 15(1.4,-0.6) 16(1.8,-0.6) 17(2.2,-0.6) 18(2.6,-0.6) 19(3,-0.6) 20(3.4,-0.6) 21(3.8,-0.6) 22(4.2,-0.6) 23(4.6,-0.6) 24(5,-0.6) 37(5,5) 38(4.6,5) 39(4.2,5) 40(3.8,5) 41(3.4,5) 42(3,5) 43(2.6,5) 44(2.2,5) 45(1.8,5) 46(1.4,5) 47(1,5) 48(0.6,5)
  rect 4.3x4.3 smd: 49(2.8,2.2)
  silkscreen extent -0.36,-0.9 5.95,5.36
R0201 [mm]
  rect 0.3x0.3 smd: 1(-0.25,0) 2(0.25,0)
  silkscreen extent -0.5,-0.25 0.5,0.25
R0402 [mm]
  rect 0.5x0.5 smd: 1(-0.4,0) 2(0.4,0)
  silkscreen extent -0.8,-0.4 0.8,0.4
R0603 [mm]
  rect 0.7x0.9 smd: 1(-0.7,0) 2(0.7,0)
  silkscreen extent -1.2,-0.6 1.2,0.6
RJ45_HRK1 [mm]
  rect 1.524x1.524 hole 0.9 mask+0.05: 1(-0.005,8.89)
  round 1.524 / inner round 1.1 / far side round 1.524 hole 0.9 mask+0.05: 2(1.265,6.35) 3(2.535,8.89) 4(3.805,6.35) 5(5.075,8.89) 6(6.345,6.35) 7(7.615,8.89) 8(8.885,6.35) 9(10.155,8.89) 10(11.425,6.35) 11(-0.005,3.83) 12(2.535,2.56) 13(8.885,2.56) 14(11.425,3.83) 18(12.355,-4.06)
  round 1.524 hole 1.02 mask+0.05: 15(-0.925,-4.06) 16(1.615,-4.06) 17(9.815,-4.06)
  round 2 / inner round 2.2 / far side round 2.2 hole 1.6 mask+0.15: 19(-2.135,3.05) 20(13.565,3.05)
  round 3.25 hole 3.25: 21(0,0) 22(11.43,0)
  silkscreen extent -2.25,-11 13.7,9.95
SMD26PIN-2.54MM [mm]
  rect 1.02x3.12 smd: 1(0,-2.68) 2(0,2.7) 3(2.54,-2.68) 4(2.54,2.7) 5(5.08,-2.68) 6(5.08,2.7) 7(7.62,-2.68) 8(7.62,2.7) 9(10.16,-2.68) 10(10.16,2.7) 11(12.7,-2.68) 12(12.7,2.7) 13(15.24,-2.68) 14(15.24,2.7) 15(17.78,-2.68) 16(17.78,2.7) 17(20.32,-2.68) 18(20.32,2.7) 19(22.86,-2.68) 20(22.86,2.7) 21(25.4,-2.68) 22(25.4,2.7) 23(27.94,-2.68) 24(27.94,2.7) 25(30.48,-2.68) 26(30.48,2.7)
SOD523 [mm]
  rect 0.6x0.6 smd: 1(0.71,0) 2(-0.71,0)
  silkscreen extent -1.25,-0.6 1.28,0.6
SON10_2R50X1R00X0R50 [mm]
  rect 0.2x0.675 smd mask+0.05: 1(-1,-0.437) 2(-0.5,-0.437) 4(0.5,-0.437) 5(1,-0.437) 6(1,0.437) 7(0.5,0.437) 9(-0.5,0.437) 10(-1,0.437)
  rect 0.4x0.775 smd mask+0.05: 3(0,-0.387) 8(0,0.388)
  silkscreen extent -1.25,-0.5 1.25,0.5
SOP16 [mil]
  oval 75x25 smd: 1(0,0) 2(0,-50) 3(0,-100) 4(0,-150) 5(0,-200) 6(0,-250) 7(0,-300) 8(0,-350) 9(220,-350) 10(220,-300) 11(220,-250) 12(220,-200) 13(220,-150) 14(220,-100) 15(220,-50) 16(220,0)
  silkscreen extent -64,-380 176,25
SOT23 [mil]
  rect 39x39 smd: 1(-38,-46.5) 2(38,-46.5)
  rect 39x47.24 smd: 3(0,42.56)
  silkscreen extent -59,-21 59,21
SOT23-6 [mm]
  rect 0.5x1 smd: 1(-0.95,-1.4) 2(0,-1.4) 3(0.95,-1.4) 4(0.95,1.4) 5(0,1.4) 6(-0.95,1.4)
  silkscreen extent -1.8,-1.9 1.5,0.8
SOT723 [mm]
  rect 0.4x0.3 smd: 1(0,0) 2(0.805,0) 3(0.403,0.94)
  silkscreen extent -0.22,-0.17 1.02,1.12
SOT_23_5 [mil]
  oval 43.3x23.6 smd mask+1.95: 1(0,0)
  rect 43.3x23.6 smd mask+1.95: 2(0,-39.4) 3(0,-78.7) 4(110.2,-78.7) 5(110.2,0)
  silkscreen extent -60,-98 77,20
SOT_323 [mm]
  rect 0.7x0.9 smd: 1(-0.65,-0.95) 2(0.65,-0.95) 3(0,0.95)
  silkscreen extent -1.1,-0.67 1.1,0.67
SW_4_DIP [mm]
  rrect0% 1.6x1.6 / inner rrect0% 1.6x1.6 / far side rrect0% 1.8x1.8 hole 1: 1(1.28,2.45) 2(5.78,2.45)
  rrect0% 2x2 hole 1.5: 3(0,0) 4(7,0)
  silkscreen extent 0.34,-1.53 6.78,6.8
T0.8 [mm]
  round 0.8 smd: 1(0,0)
TF-CKT01-009D [mm]
  rect 1.6x0.7 smd: 1(-10.516,3.2) 2(-10.516,2.1) 3(-10.516,1) 4(-10.516,-0.1) 5(-10.516,-1.2) 6(-10.516,-2.3) 7(-10.516,-3.4) 8(-10.516,-4.5) 9(-10.516,-5.6)
  rect 1.6x1.4 smd: 10(-10.016,-7) 13(-10.016,8.7)
  rect 2.2x1.2 smd: 11(-0.416,-6.8) 12(-0.416,8.7)
  round 0.9 hole 0.9 unplated: 14(0,4) 15(0,-4)
  silkscreen extent -10.52,-6.4 3.98,8.3
TP_0R70 [mm]
  round 0.7 smd: 1(0,0)
  silkscreen extent -0.45,-0.45 0.45,0.45
TYPEC_14PIN_CHE [mm]
  round 0.6 hole 0.35: A1(0.375,5.85) A4(0.375,4.95) A5(0.375,4.05) A6(0.375,3.15) A7(0.375,2.25) A9(0.375,0.9) A12(0.375,0) B1(-0.375,0) B4(-0.375,0.9) B5(-0.375,1.8) B6(-0.375,2.7) B7(-0.375,3.6) B9(-0.375,4.95) B12(-0.375,5.85)
  oval 0.9x2 / inner oval 0.9x2 / far side oval 0.9x2.2 hole 0.5 slot 1.8 at 90 deg: E1(-1.43,0) E2(1.43,0)
  oval 0.9x1.7 hole 0.5 slot 1.3 at 90 deg: E3(1.43,6.1) E4(-1.43,6.1)
  silkscreen extent -1.79,-0.87 1.82,13.12
USB30-L1 [mm]
  rect 0.7x1.6 smd: 1(-3,0) 2(-1,0) 3(1,0) 4(3,0) 5(4,0) 6(2,0) 7(0,0) 8(-2,0) 9(-4,0)
  oval 1.8x3.6 / inner oval 0.7x2.6 / far side oval 1.8x3.6 hole 0.6 slot 2.5 at 90 deg: 10(-6.4,-1) 11(6.4,-1)
  silkscreen extent -6.41,-13.5 6.4,0.92

## Via types
v1: diameter 15.75, hole 7.87, Top to Bottom, 825 vias
v2: diameter 19.68, hole 11.81, Top to Bottom, 239 vias